# KiCad board panel2.kicad_pcb (continued)
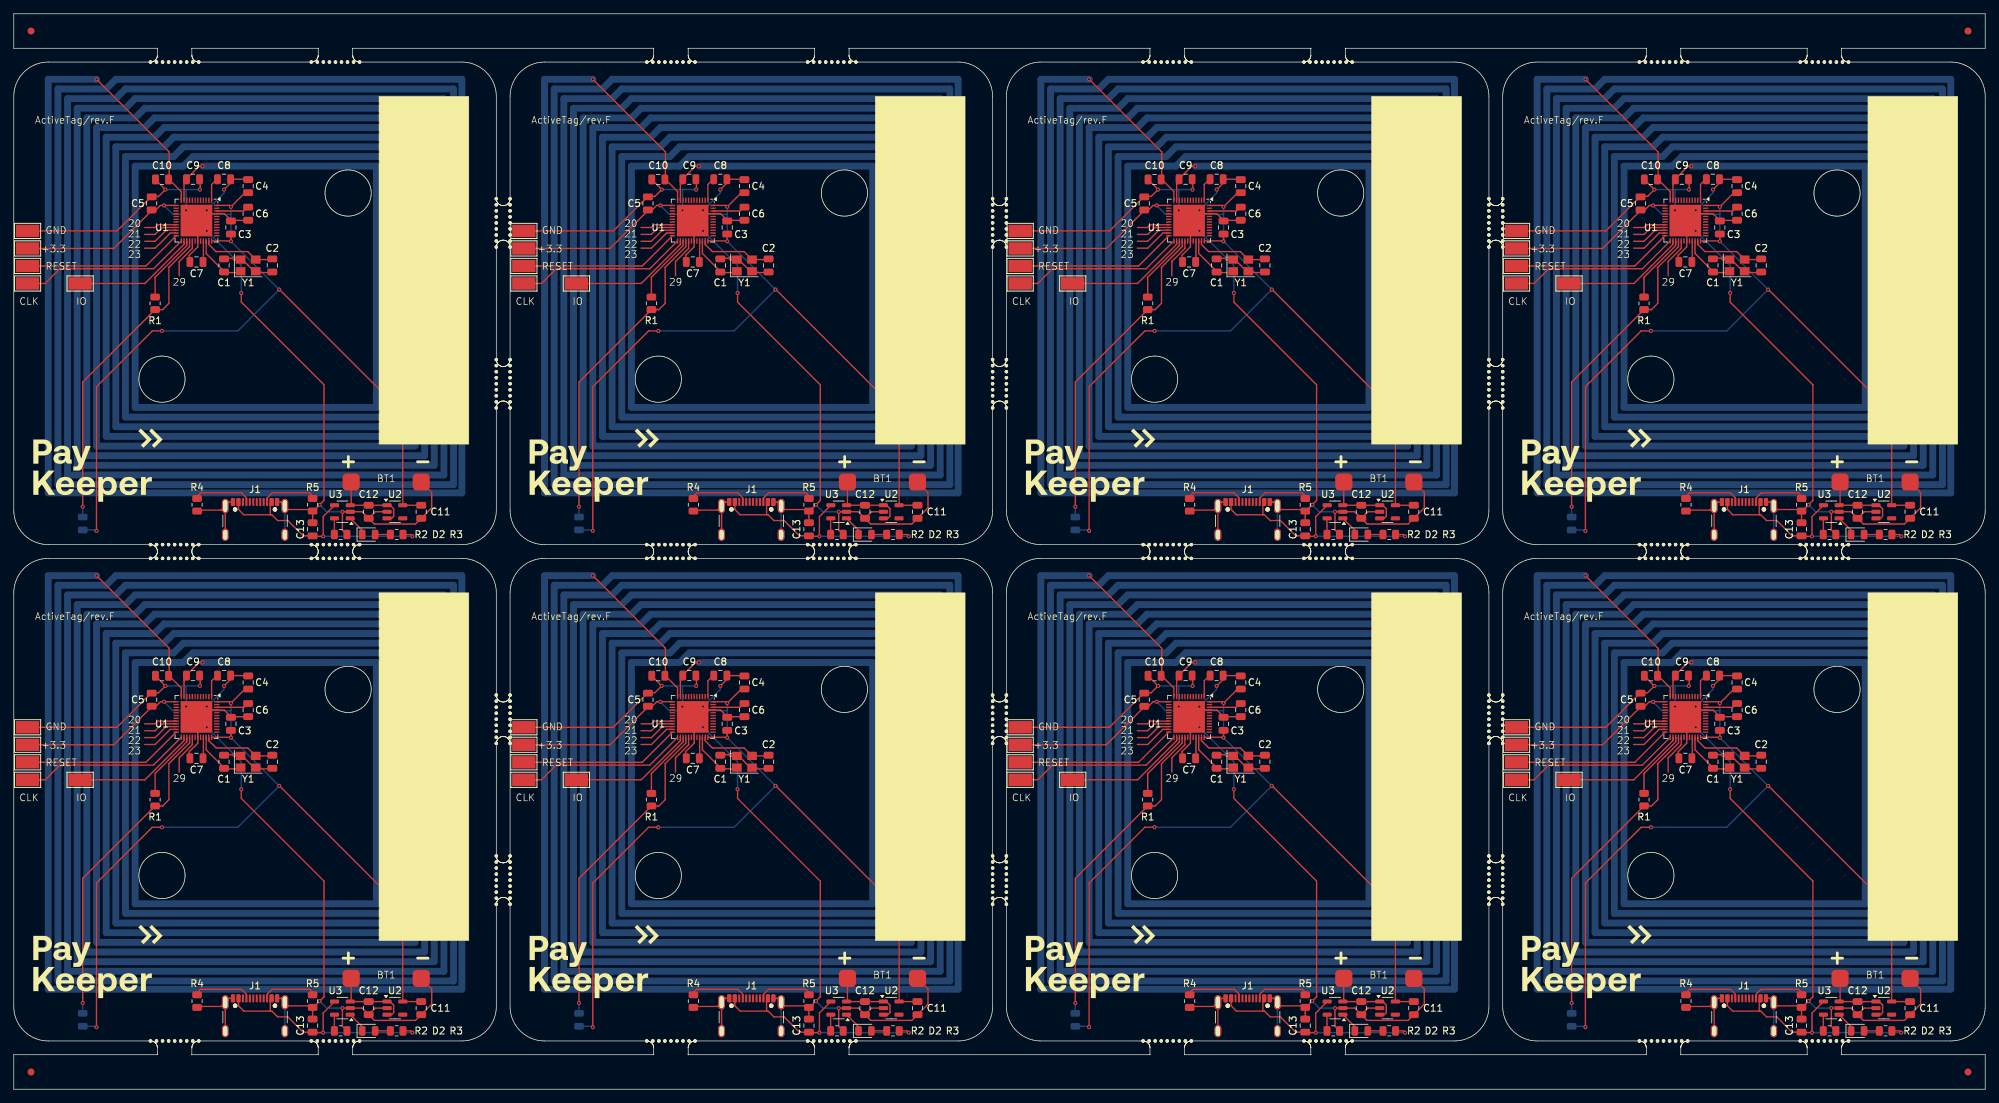
[diagram p0: board, top side]
## Routing (per net, layer and track width the routed paths; a pad name or vN(x,y) marks a point on that pad's centre or on a via; arc(x,y) is an arc through that point) (continued)
Board_7-Net-(U1-P0.21/~{RESET}): length 23.4
  Top w0.2: TP3#7.1 235.17,47.42 U1.24
Board_7-Net-(U1-P0.22): length 10
  Top w0.2: R1#7.1 236.5,45.79 241.1,50.39 U1.27
Board_7-Net-(U1-SWDCLK): length 24.9
  Top w0.2: U1.25 236.27,47.02 222.68,47.02 220.54,44.88 TP2#8.1
Board_7-Net-(U1-SWDIO): length 17.9
  Top w0.2: TP1#5.1 235.03,44.88 240.7,50.56 U1.26
Board_7-Net-(U1-XC1): length 8.1
  Top w0.2: U1.34 243.9,49.24 246.5,46.64 246.5,46.46 248.71,46.46 Y1#3.1
Board_7-Net-(U1-XC2): length 10.7
  Top w0.2: U1.35 244.3,50.56 245.35,49.5 249.95,49.5 Y1#3.3 253.31,48.35 253.5,48.54
Board_7-Net-(U3-PROG): length 2.4
  Top w0.2: R2#6.1 262.51,10.78 U3#3.5
Board_7-Net-(U3-V_{CC}): length 36
  Top w0.2: R3#3.1 273.58,8.46 v1(273.83,8.21) ; 253.21,11.33 249.38,11.33 248.6,12.11 248.6,12.68 ; 253.21,11.33 253.44,11.33 254.27,10.49 255.75,10.49 257.97,8.27 C13#8.1 259.42,8.21 v1(260.88,8.21) 260.88,11.06 U3#3.4 ; 253.21,11.33 253.21,13 J1.A9
  Bottom w0.2: v1(273.83,8.21) v1(260.88,8.21)
Board_7-unconnected-(U1-P0.17-Pad20): length 4.7
  Top w0.2: 235,53 236.5,53 236.9,53.4 U1.20
Board_7-unconnected-(U1-P0.18/SWO-Pad21): length 5
  Top w0.2: U1.21 237.5,53 236.5,52 235,52
Board_7-unconnected-(U1-P0.19-Pad22): length 5.2
  Top w0.2: 235,51 236.5,51 238.1,52.6 U1.22
Board_7-unconnected-(U1-P0.20-Pad23): length 5.5
  Top w0.2: U1.23 238.7,52.2 236.5,50 235,50
Board_7-unconnected-(U1-P0.24-Pad29): length 5.8
  Top w0.2: U1.29 241.9,49.97 240,48.07 240,46

## Text on the board
F.Silkscreen: CLK | ActiveTag/rev.F | +3.3 | GND | RESET | IO | 20 | 21 | 22 | 23 | 29
Margin: PREVIEW ONLY. PANEL SAVED IN /home/udik/dev/SolarTap/panel.kicad_pcb
